# Altium PCB XTIDA-010086.PcbDoc (part 7 of 17)
Units mm, origin at the board's own origin, x right, y up, seen from the top; angles counter-clockwise.
Board outline 375 x 210 mm, 6 copper layers (Top Layer, GND Layer, Signal Layer 1, Signal Layer 2, Power Layer, Bottom Layer), stack 1.575 mm thick; 1884 components, 1036 nets, 4948 pads, 6791 vias.
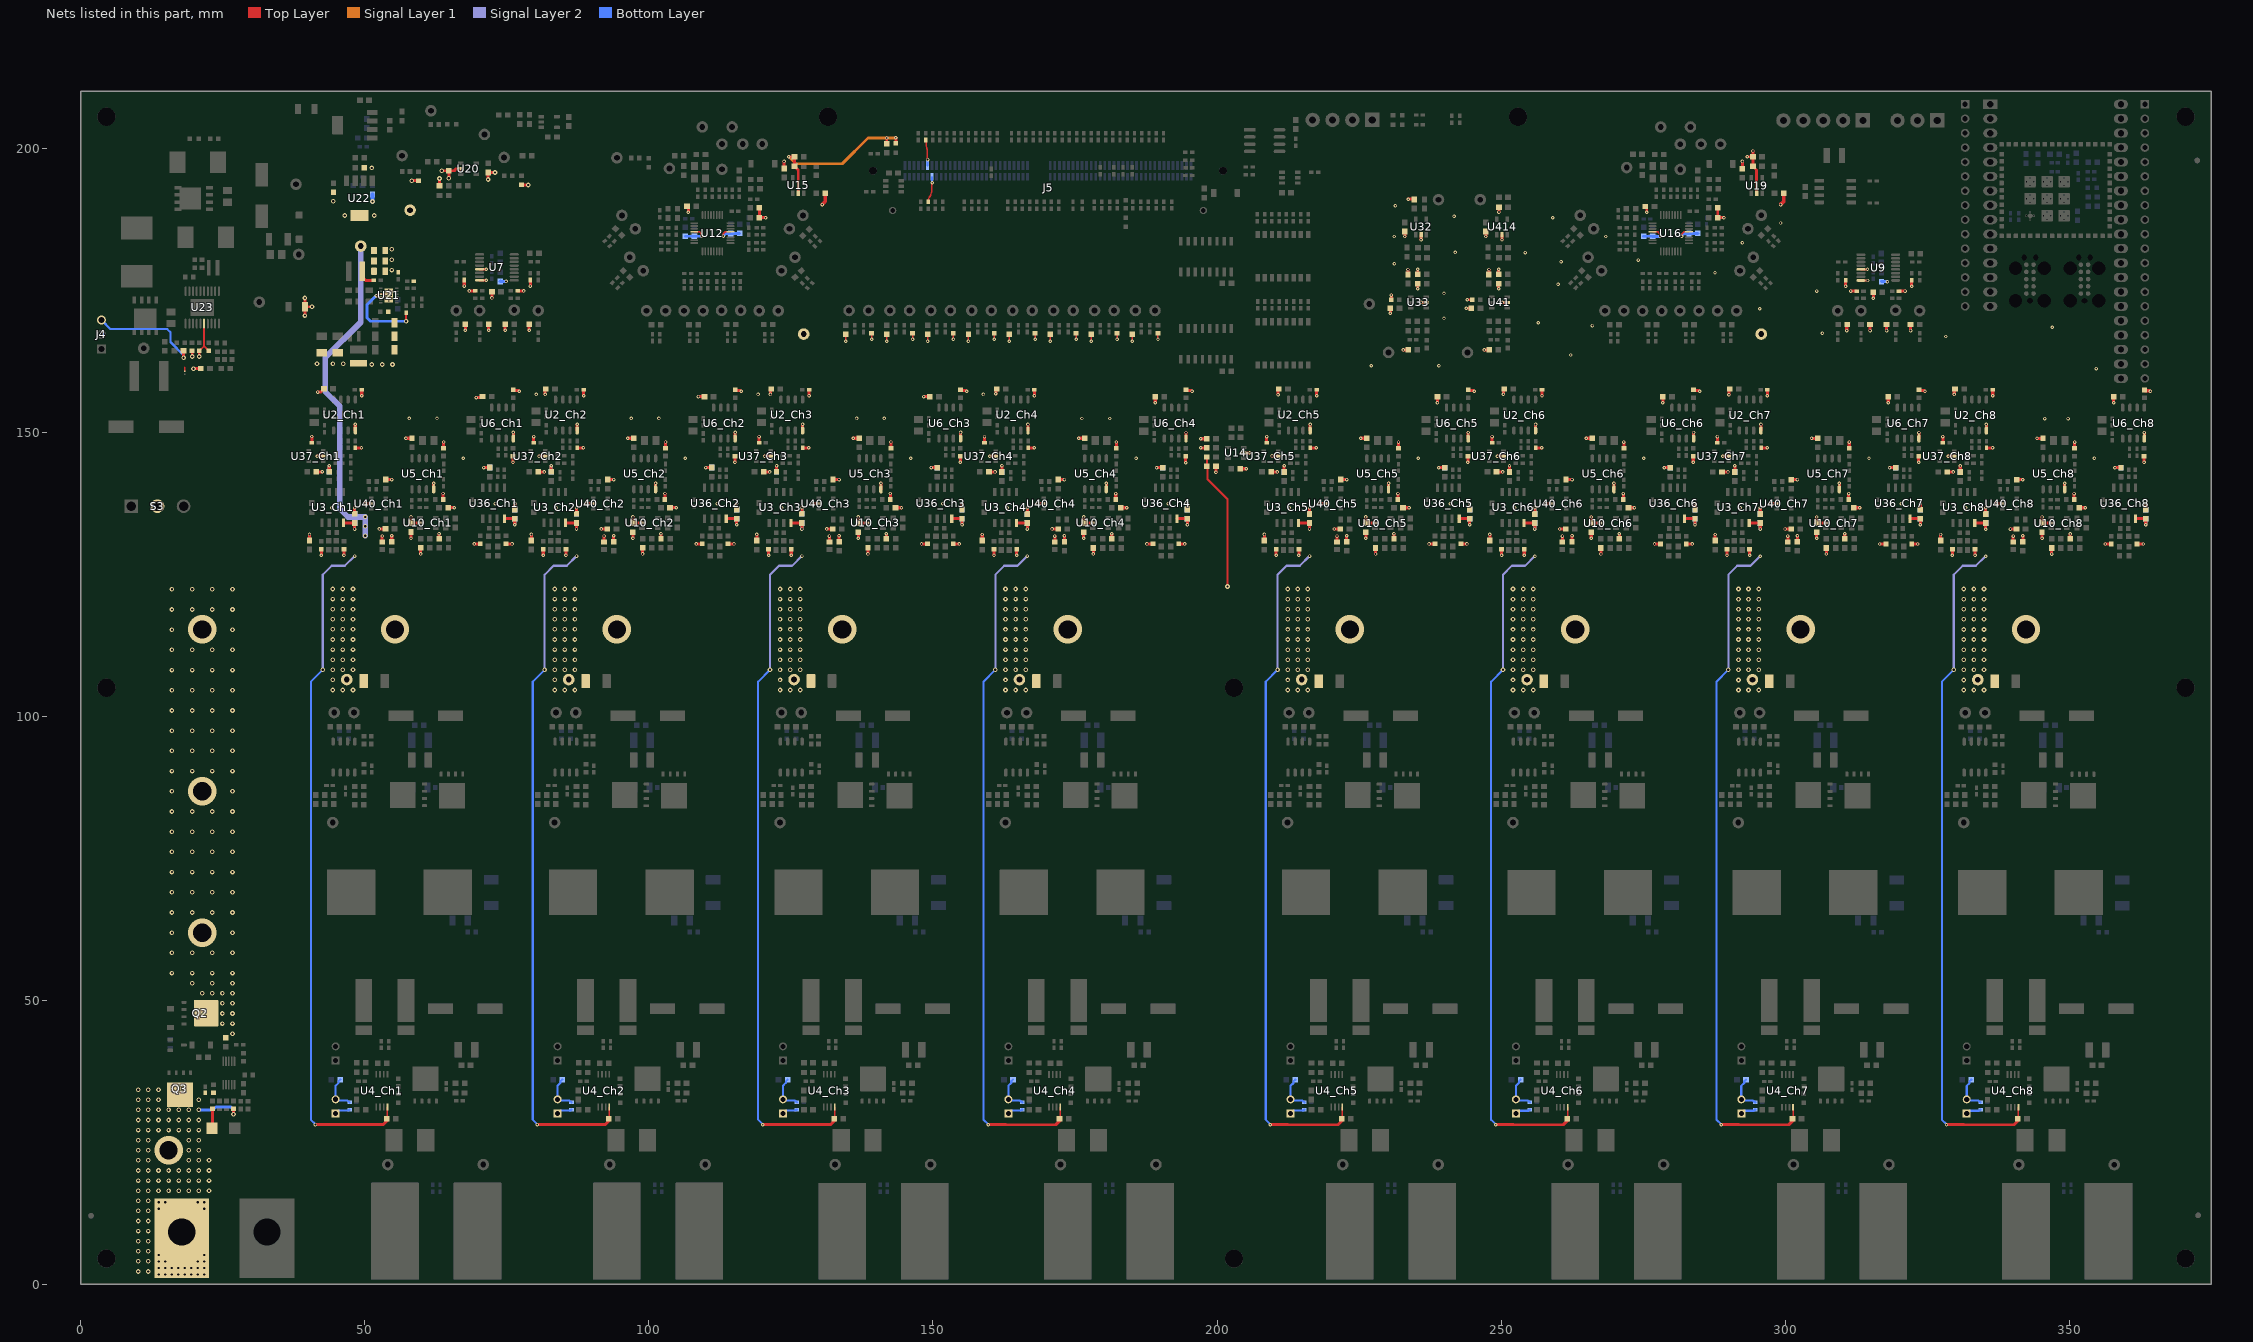
[diagram p11: the nets of this part, all layers, seen from the top]

## Via types
v1: diameter 0.813, hole 0.4, Top Layer to Bottom Layer, tented both sides, 4738 vias
v2: diameter 0.61, hole 0.3, Top Layer to Bottom Layer, tented both sides, 1254 vias
v3: diameter 0.813, hole 0.406, Top Layer to Bottom Layer, 728 vias
v4: diameter 0.5, hole 0.2, Top Layer to Bottom Layer, 40 vias
v5: diameter 5.45, hole 3.556, Top Layer to Bottom Layer, 16 vias
v6: diameter 5/3.65/3.65/3.65/3.65/5 (per signal layer), hole 3.2, Top Layer to Bottom Layer, 12 vias
v7: diameter 0.813, hole 0.4, Top Layer to Bottom Layer, 3 vias

## Nets (pads, with @x,y where several pads share a name; then routed paths per layer and width w, separated by ;. In a path a pad name is that pad's centre, name@x,y a point inside that pad or via, vN(x,y) a via of type N, cw(c..) or ccw(c..) an arc to the next point about the centre after c; other vN are vias at no path point) (continued)
12V_Out: C175.1 L1_Ch1.1 L1_Ch2.1 L1_Ch3.1 L1_Ch4.1 L1_Ch5.1 L1_Ch6.1 L1_Ch7.1 L1_Ch8.1 Q2.5 Q2.6 Q2.7 Q2.8 Q2.9@22.059,47.701 R83.2 R299.1 S3.2 TP4_Ch1.1 TP4_Ch2.1 TP4_Ch3.1 TP4_Ch4.1 TP4_Ch5.1 TP4_Ch6.1 TP4_Ch7.1 TP4_Ch8.1 | length 24.3
  Top Layer w0.381: R299.1@198.217,145.606 C175.1@198.217,143.996 198.242,143.996 198.336,143.902 198.336,141.667 201.854,138.15 v1(201.854,122.809)
  other v1: 26.702,44.094 24.924,45.872 26.702,45.872 24.924,47.65 26.702,47.65 24.924,49.428 26.702,49.428 21.368,51.206 23.146,51.206 24.924,51.206 26.702,51.206 19.59,52.984 23.146,52.984 26.702,52.984 16.034,54.762 19.59,54.762 23.146,54.762 26.702,54.762 16.034,58.318 19.59,58.318 23.146,58.318 26.702,58.318 16.034,61.874 26.702,61.874 16.034,65.43 19.59,65.43 23.146,65.43 26.702,65.43 16.034,68.986 19.59,68.986 23.146,68.986 26.702,68.986 16.034,72.542 19.59,72.542 23.146,72.542 26.702,72.542 16.034,76.098 19.59,76.098 23.146,76.098 26.702,76.098 16.034,79.654 19.59,79.654 23.146,79.654 26.702,79.654 16.034,83.21 19.59,83.21 23.146,83.21 26.702,83.21 16.034,86.766 26.702,86.766 16.034,90.322 19.59,90.322 23.146,90.322 26.702,90.322 16.034,93.878 19.59,93.878 23.146,93.878 26.702,93.878 16.034,97.434 19.59,97.434 23.146,97.434 26.702,97.434 16.034,100.99 19.59,100.99 23.146,100.99 26.702,100.99 16.034,104.546 19.59,104.546 23.146,104.546 26.702,104.546 252.113,104.587 253.891,104.587 255.669,104.587 291.788,104.585 293.566,104.585 295.344,104.585 331.462,104.583 333.24,104.583 335.018,104.583 44.348,104.597 46.126,104.597 47.904,104.597 83.414,104.595 85.192,104.595 86.97,104.595 123.088,104.593 124.866,104.593 126.644,104.593 162.763,104.591 164.541,104.591 166.319,104.591 212.438,104.589 214.216,104.589 215.994,104.589 252.113,106.365 291.788,106.363 331.462,106.361 44.348,106.375 83.414,106.373 123.088,106.371 162.763,106.369 212.438,106.367 16.034,108.102 19.59,108.102 23.146,108.102 26.702,108.102 252.113,108.143 253.891,108.143 255.669,108.143 291.788,108.141 293.566,108.141 295.344,108.141 331.462,108.139 333.24,108.139 335.018,108.139 44.348,108.153 46.126,108.153 47.904,108.153 83.414,108.151 85.192,108.151 86.97,108.151 123.088,108.149 124.866,108.149 126.644,108.149 162.763,108.147 164.541,108.147 166.319,108.147 212.438,108.145 214.216,108.145 215.994,108.145 252.113,109.921 253.891,109.921 255.669,109.921 291.788,109.919 293.566,109.919 295.344,109.919 331.462,109.917 333.24,109.917 335.018,109.917 44.348,109.931 46.126,109.931 47.904,109.931 83.414,109.929 85.192,109.929 86.97,109.929 123.088,109.927 124.866,109.927 126.644,109.927 162.763,109.925 164.541,109.925 166.319,109.925 212.438,109.923 214.216,109.923 215.994,109.923 16.034,111.658 19.59,111.658 23.146,111.658 26.702,111.658 252.113,111.699 253.891,111.699 255.669,111.699 291.788,111.697 293.566,111.697 295.344,111.697 331.462,111.695 333.24,111.695 335.018,111.695 44.348,111.709 46.126,111.709 47.904,111.709 83.414,111.707 85.192,111.707 86.97,111.707 123.088,111.705 124.866,111.705 126.644,111.705 162.763,111.703 164.541,111.703 166.319,111.703 212.438,111.701 214.216,111.701 215.994,111.701 252.113,113.477 253.891,113.477 255.669,113.477 291.788,113.475 293.566,113.475 295.344,113.475 331.462,113.473 333.24,113.473 335.018,113.473 44.348,113.487 46.126,113.487 47.904,113.487 83.414,113.485 85.192,113.485 86.97,113.485 123.088,113.483 124.866,113.483 126.644,113.483 162.763,113.481 164.541,113.481 166.319,113.481 212.438,113.479 214.216,113.479 215.994,113.479 16.034,115.214 26.702,115.214 252.113,115.255 253.891,115.255 255.669,115.255 291.788,115.253 293.566,115.253 295.344,115.253 331.462,115.251 333.24,115.251 335.018,115.251 44.348,115.265 46.126,115.265 47.904,115.265 83.414,115.263 85.192,115.263 86.97,115.263 123.088,115.261 124.866,115.261 126.644,115.261 162.763,115.259 164.541,115.259 166.319,115.259 212.438,115.257 214.216,115.257 215.994,115.257 252.113,117.033 253.891,117.033 255.669,117.033 291.788,117.031 293.566,117.031 295.344,117.031 331.462,117.029 333.24,117.029 335.018,117.029 44.348,117.043 46.126,117.043 47.904,117.043 83.414,117.041 85.192,117.041 86.97,117.041 123.088,117.039 124.866,117.039 126.644,117.039 162.763,117.037 164.541,117.037 166.319,117.037 212.438,117.035 214.216,117.035 215.994,117.035 16.034,118.77 19.59,118.77 23.146,118.77 26.702,118.77 252.113,118.811 253.891,118.811 255.669,118.811 291.788,118.809 293.566,118.809 295.344,118.809 331.462,118.807 333.24,118.807 335.018,118.807 44.348,118.821 46.126,118.821 47.904,118.821 83.414,118.819 85.192,118.819 86.97,118.819 123.088,118.817 124.866,118.817 126.644,118.817 162.763,118.815 164.541,118.815 166.319,118.815 212.438,118.813 214.216,118.813 215.994,118.813 252.113,120.589 253.891,120.589 255.669,120.589 291.788,120.587 293.566,120.587 295.344,120.587 331.462,120.585 333.24,120.585 335.018,120.585 44.348,120.599 46.126,120.599 47.904,120.599 83.414,120.597 85.192,120.597 86.97,120.597 123.088,120.595 124.866,120.595 126.644,120.595 162.763,120.593 164.541,120.593 166.319,120.593 212.438,120.591 214.216,120.591 215.994,120.591 16.034,122.326 19.59,122.326 23.146,122.326 26.702,122.326 252.113,122.367 253.891,122.367 255.669,122.367 291.788,122.365 293.566,122.365 295.344,122.365 331.462,122.363 333.24,122.363 335.018,122.363 44.348,122.377 46.126,122.377 47.904,122.377 83.414,122.375 85.192,122.375 86.97,122.375 123.088,122.373 124.866,122.373 126.644,122.373 162.763,122.371 164.541,122.371 166.319,122.371 212.438,122.369 214.216,122.369 215.994,122.369
  other v6: 21.368,61.874 21.368,86.766 21.368,115.265 55.296,115.265 94.361,115.265 134.036,115.265 173.711,115.265 223.385,115.265 263.06,115.265 302.735,115.265 342.41,115.265
12VP: D7.2 D8.1 Q3.5 Q3.6 Q3.7 Q3.8 Q3.9@17.433,33.325 R82.1 R84.2 R85.2 T1.1 | length 11.6
  Top Layer w0.508: D8.1@23.082,27.478 23.166,27.562 R85.2@23.166,30.841 ; v1(26.882,29.921) R84.2@26.882,30.841
  Bottom Layer w0.508: v1(20.777,30.683) 23.257,30.683 23.765,31.191 26.391,31.191 26.882,30.7 v1(26.882,29.921)
  other v1: 10.109,2.235 11.887,2.235 10.109,4.013 11.887,4.013 10.109,5.791 11.887,5.791 10.109,7.569 11.887,7.569 10.109,9.347 11.887,9.347 10.109,11.125 11.887,11.125 10.109,12.903 11.887,12.903 10.109,14.681 11.887,14.681 10.109,16.459 11.887,16.459 13.665,16.459 15.443,16.459 17.221,16.459 18.999,16.459 20.777,16.459 22.555,16.459 10.109,18.237 11.887,18.237 13.665,18.237 15.443,18.237 17.221,18.237 18.999,18.237 20.777,18.237 22.555,18.237 10.109,20.015 11.887,20.015 13.665,20.015 15.443,20.015 17.221,20.015 18.999,20.015 20.777,20.015 22.555,20.015 10.109,21.793 11.887,21.793 18.999,21.793 20.777,21.793 22.555,21.793 10.109,23.571 11.887,23.571 18.999,23.571 20.777,23.571 10.109,25.349 11.887,25.349 18.999,25.349 20.777,25.349 10.109,27.127 11.887,27.127 13.665,27.127 15.443,27.127 17.221,27.127 18.999,27.127 20.777,27.127 10.109,28.905 11.887,28.905 13.665,28.905 15.443,28.905 17.221,28.905 18.999,28.905 20.777,28.905 10.109,30.683 11.887,30.683 13.665,30.683 15.443,30.683 17.221,30.683 18.999,30.683 10.109,32.461 11.887,32.461 13.665,32.461 20.777,32.461 10.109,34.239 11.887,34.239 13.665,34.239
  other v3: 13.699,1.716 14.842,1.716 15.985,1.716 17.128,1.716 18.271,1.716 19.414,1.716 20.557,1.716 21.7,1.716 13.699,2.859 14.842,2.859 15.985,2.859 17.128,2.859 18.271,2.859 19.414,2.859 20.557,2.859 21.7,2.859 13.699,4.002 14.842,4.002 20.557,4.002 21.7,4.002 13.699,5.145 21.7,5.145 13.699,13.273 21.7,13.273 13.699,14.416 14.842,14.416 20.557,14.416 21.7,14.416
  other v6: 15.443,23.571
+VSense_Ch1: J2_Ch1.1 R14_Ch1.2 | length 2.7
  Bottom Layer w0.381: J2_Ch1.1@44.856,30.043 45.366,30.552 47.048,30.552 47.204,30.709 R14_Ch1.2@47.304,30.709
+VSense_Ch2: J2_Ch2.1 R14_Ch2.2 | length 2.7
  Bottom Layer w0.381: J2_Ch2.1@83.922,30.041 84.431,30.55 86.113,30.55 86.27,30.707 R14_Ch2.2@86.37,30.707
+VSense_Ch3: J2_Ch3.1 R14_Ch3.2 | length 2.7
  Bottom Layer w0.381: J2_Ch3.1@123.596,30.039 124.106,30.548 125.788,30.548 125.944,30.705 R14_Ch3.2@126.044,30.705
+VSense_Ch4: J2_Ch4.1 R14_Ch4.2 | length 2.7
  Bottom Layer w0.381: J2_Ch4.1@163.271,30.037 163.781,30.546 165.463,30.546 165.619,30.703 R14_Ch4.2@165.719,30.703
+VSense_Ch5: J2_Ch5.1 R14_Ch5.2 | length 2.7
  Bottom Layer w0.381: J2_Ch5.1@212.946,30.035 213.456,30.544 215.138,30.544 215.294,30.701 R14_Ch5.2@215.394,30.701
+VSense_Ch6: J2_Ch6.1 R14_Ch6.2 | length 2.7
  Bottom Layer w0.381: J2_Ch6.1@252.621,30.033 253.13,30.542 254.812,30.542 254.969,30.699 R14_Ch6.2@255.069,30.699
+VSense_Ch7: J2_Ch7.1 R14_Ch7.2 | length 2.7
  Bottom Layer w0.381: J2_Ch7.1@292.296,30.031 292.805,30.54 294.487,30.54 294.644,30.697 R14_Ch7.2@294.744,30.697
+VSense_Ch8: J2_Ch8.1 R14_Ch8.2 | length 2.7
  Bottom Layer w0.381: J2_Ch8.1@331.97,30.029 332.48,30.538 334.162,30.538 334.318,30.695 R14_Ch8.2@334.418,30.695
-5V: C18_Ch1.1 C18_Ch2.1 C18_Ch3.1 C18_Ch4.1 C18_Ch5.1 C18_Ch6.1 C18_Ch7.1 C18_Ch8.1 C20_Ch1.1 C20_Ch2.1 C20_Ch3.1 C20_Ch4.1 C20_Ch5.1 C20_Ch6.1 C20_Ch7.1 C20_Ch8.1 C29_Ch1.1 C29_Ch2.1 C29_Ch3.1 C29_Ch4.1 C29_Ch5.1 C29_Ch6.1 C29_Ch7.1 C29_Ch8.1 C45_Ch1.1 C45_Ch2.1 C45_Ch3.1 C45_Ch4.1 C45_Ch5.1 C45_Ch6.1 C45_Ch7.1 C45_Ch8.1 C160.1 C161.1 C162.1 C174_Ch1.1 C174_Ch2.1 C174_Ch3.1 C174_Ch4.1 C174_Ch5.1 C174_Ch6.1 C174_Ch7.1 C174_Ch8.1 C179_Ch1.1 C179_Ch2.1 C179_Ch3.1 C179_Ch4.1 C179_Ch5.1 C179_Ch6.1 C179_Ch7.1 C179_Ch8.1 L6.2 R196.1 TP26.1 U3_Ch1.4 U3_Ch2.4 U3_Ch3.4 U3_Ch4.4 U3_Ch5.4 U3_Ch6.4 U3_Ch7.4 U3_Ch8.4 U4_Ch1.4 U4_Ch2.4 U4_Ch3.4 U4_Ch4.4 U4_Ch5.4 U4_Ch6.4 U4_Ch7.4 U4_Ch8.4 U10_Ch1.2 U10_Ch2.2 U10_Ch3.2 U10_Ch4.2 U10_Ch5.2 U10_Ch6.2 U10_Ch7.2 U10_Ch8.2 U36_Ch1.4 U36_Ch2.4 U36_Ch3.4 U36_Ch4.4 U36_Ch5.4 U36_Ch6.4 U36_Ch7.4 U36_Ch8.4 | length 1109.7
  Top Layer w0.254: U4_Ch1.4@53.968,31.186 53.968,29.133 C29_Ch1.1@53.982,29.118 ; U4_Ch2.4@93.033,31.184 93.033,29.131 C29_Ch2.1@93.047,29.116 ; U4_Ch3.4@132.708,31.182 132.708,29.129 C29_Ch3.1@132.722,29.114 ; U4_Ch4.4@172.383,31.18 172.383,29.127 C29_Ch4.1@172.397,29.112 ; U4_Ch5.4@222.057,31.178 222.057,29.125 C29_Ch5.1@222.072,29.11 ; U4_Ch6.4@261.732,31.176 261.732,29.123 C29_Ch6.1@261.747,29.108 ; U4_Ch7.4@301.407,31.174 301.407,29.121 C29_Ch7.1@301.421,29.106 ; U4_Ch8.4@341.082,31.172 341.082,29.119 C29_Ch8.1@341.096,29.104
  Top Layer w0.508: v2(41.3,28.092) 44.399,28.092 44.412,28.08 53.2,28.08 53.982,28.862 C29_Ch1.1@53.982,29.118 ; L6.2@49.517,178.308 49.517,177.279 50.14,176.657 51.546,176.657 R196.1@51.597,176.708 ; v2(80.366,28.09) 83.464,28.09 83.477,28.078 92.266,28.078 93.047,28.86 C29_Ch2.1@93.047,29.116 ; v2(120.04,28.088) 123.139,28.088 123.152,28.076 131.94,28.076 132.722,28.858 C29_Ch3.1@132.722,29.114 ; v2(159.715,28.086) 162.814,28.086 162.827,28.074 171.615,28.074 172.397,28.856 C29_Ch4.1@172.397,29.112 ; v2(209.39,28.084) 212.489,28.084 212.502,28.072 221.29,28.072 222.072,28.854 C29_Ch5.1@222.072,29.11 ; v2(249.065,28.082) 252.164,28.082 252.176,28.07 260.965,28.07 261.747,28.852 C29_Ch6.1@261.747,29.108 ; v2(288.74,28.08) 291.838,28.08 291.851,28.068 300.64,28.068 301.421,28.85 C29_Ch7.1@301.421,29.106 ; v2(328.414,28.078) 331.513,28.078 331.526,28.066 340.314,28.066 341.096,28.848 C29_Ch8.1@341.096,29.104
  Top Layer w0.541: U3_Ch1.4@46.264,134.011 46.271,134.003 48.181,134.003 C20_Ch1.1@48.189,133.996 v2(48.189,132.929) ; v2(58.115,135.057) C45_Ch1.1@58.115,133.991 58.118,133.993 59.709,133.993 U10_Ch1.2@59.712,133.996 ; U36_Ch1.4@74.555,134.76 C174_Ch1.1@76.378,134.76 v2(76.378,133.693) ; U3_Ch2.4@85.329,134.009 85.336,134.001 87.246,134.001 C20_Ch2.1@87.254,133.994 v2(87.254,132.927) ; v2(97.18,135.055) C45_Ch2.1@97.18,133.989 97.183,133.991 98.774,133.991 U10_Ch2.2@98.777,133.994 ; U36_Ch2.4@113.62,134.758 C174_Ch2.1@115.443,134.758 v2(115.443,133.691) ; U3_Ch3.4@125.004,134.007 125.011,133.999 126.921,133.999 C20_Ch3.1@126.929,133.992 v2(126.929,132.925) ; v2(136.855,135.053) C45_Ch3.1@136.855,133.987 136.858,133.989 138.449,133.989 U10_Ch3.2@138.452,133.992 ; U36_Ch3.4@153.295,134.756 C174_Ch3.1@155.118,134.756 v2(155.118,133.689) ; U3_Ch4.4@164.678,134.005 164.686,133.997 166.596,133.997 C20_Ch4.1@166.603,133.99 v2(166.603,132.923) ; v2(176.53,135.051) C45_Ch4.1@176.53,133.985 176.533,133.987 178.124,133.987 U10_Ch4.2@178.127,133.99 ; U36_Ch4.4@192.97,134.754 C174_Ch4.1@194.793,134.754 v2(194.793,133.687) ; U3_Ch5.4@214.353,134.003 214.361,133.995 216.271,133.995 C20_Ch5.1@216.278,133.988 v2(216.278,132.921) ; v2(226.205,135.049) C45_Ch5.1@226.205,133.983 226.208,133.985 227.799,133.985 U10_Ch5.2@227.802,133.988 ; U36_Ch5.4@242.644,134.752 C174_Ch5.1@244.467,134.752 v2(244.467,133.685) ; U3_Ch6.4@254.028,134.001 254.035,133.993 255.945,133.993 C20_Ch6.1@255.953,133.986 v2(255.953,132.919) ; v2(265.88,135.047) C45_Ch6.1@265.88,133.981 265.882,133.983 267.474,133.983 U10_Ch6.2@267.476,133.986 ; U36_Ch6.4@282.319,134.75 C174_Ch6.1@284.142,134.75 v2(284.142,133.683) ; U3_Ch7.4@293.703,133.999 293.71,133.991 295.62,133.991 C20_Ch7.1@295.628,133.984 v2(295.628,132.917) ; v2(305.554,135.045) C45_Ch7.1@305.554,133.979 305.557,133.981 307.148,133.981 U10_Ch7.2@307.151,133.984 ; U36_Ch7.4@321.994,134.748 C174_Ch7.1@323.817,134.748 v2(323.817,133.681) ; U3_Ch8.4@333.378,133.997 333.385,133.989 335.295,133.989 C20_Ch8.1@335.303,133.982 v2(335.303,132.915) ; v2(345.229,135.043) C45_Ch8.1@345.229,133.977 345.232,133.979 346.823,133.979 U10_Ch8.2@346.826,133.982 ; U36_Ch8.4@361.669,134.746 C174_Ch8.1@363.492,134.746 v2(363.492,133.679)
  Signal Layer 2 w0.381: v1(42.57,108.153) 42.57,124.892 44.145,126.467 46.467,126.467 v2@48.189,128.188 ; v1(81.636,108.151) 81.636,124.89 83.21,126.465 85.532,126.465 v2@87.254,128.186 ; v1(121.31,108.149) 121.31,124.888 122.885,126.463 125.207,126.463 v2@126.929,128.184 ; v1(160.985,108.147) 160.985,124.886 162.56,126.461 164.882,126.461 v2@166.603,128.182 ; v1(210.66,108.145) 210.66,124.884 212.235,126.459 214.557,126.459 v2@216.278,128.18 ; v1(250.335,108.143) 250.335,124.882 251.91,126.457 254.231,126.457 v2@255.953,128.178 ; v1(290.01,108.141) 290.01,124.88 291.584,126.455 293.906,126.455 v2@295.628,128.176 ; v1(329.684,108.139) 329.684,124.878 331.259,126.453 333.581,126.453 v2@335.303,128.174
  Signal Layer 2 w1: TP26.1@49.276,182.728 49.276,169.342 43.002,163.068 43.002,157.15 45.568,154.584 45.568,136.522 47.032,135.057 v7(50.058,135.057) v7(50.058,131.763)
  Bottom Layer w0.381: v2(41.3,28.092) 41.3,28.154 40.488,28.967 40.488,106.07 v1(42.57,108.153) ; v2(80.366,28.09) 80.366,28.152 79.553,28.965 79.553,106.068 v1(81.636,108.151) ; v2(120.04,28.088) 120.04,28.15 119.228,28.963 119.228,106.066 v1(121.31,108.149) ; v2(159.715,28.086) 159.715,28.148 158.902,28.961 158.902,106.064 v1(160.985,108.147) ; v2(209.39,28.084) 209.39,28.146 208.577,28.959 208.577,106.062 v1(210.66,108.145) ; v2(249.065,28.082) 249.065,28.144 248.252,28.957 248.252,106.06 v1(250.335,108.143) ; v2(288.74,28.08) 288.74,28.142 287.927,28.955 287.927,106.058 v1(290.01,108.141) ; v2(328.414,28.078) 328.414,28.14 327.602,28.953 327.602,106.056 v1(329.684,108.139)
  Bottom Layer w0.541: v2(48.189,132.929) C18_Ch1.1@48.189,133.996 ; v2(76.378,133.693) C179_Ch1.1@76.378,134.76 ; v2(87.254,132.927) C18_Ch2.1@87.254,133.994 ; v2(115.443,133.691) C179_Ch2.1@115.443,134.758 ; v2(126.929,132.925) C18_Ch3.1@126.929,133.992 ; v2(155.118,133.689) C179_Ch3.1@155.118,134.756 ; v2(166.603,132.923) C18_Ch4.1@166.603,133.99 ; v2(194.793,133.687) C179_Ch4.1@194.793,134.754 ; v2(216.278,132.921) C18_Ch5.1@216.278,133.988 ; v2(244.467,133.685) C179_Ch5.1@244.467,134.752 ; v2(255.953,132.919) C18_Ch6.1@255.953,133.986 ; v2(284.142,133.683) C179_Ch6.1@284.142,134.75 ; v2(295.628,132.917) C18_Ch7.1@295.628,133.984 ; v2(323.817,133.681) C179_Ch7.1@323.817,134.748 ; v2(335.303,132.915) C18_Ch8.1@335.303,133.982 ; v2(363.492,133.679) C179_Ch8.1@363.492,134.746
  other v2: 335.313,128.158 48.199,128.172 87.264,128.17 126.939,128.168 166.614,128.166 216.289,128.164 255.964,128.162 295.638,128.16
  other v7: 50.058,133.41
-VSense_Ch1: J2_Ch1.2 R15_Ch1.1 R17_Ch1.2 | length 6.5
  Bottom Layer w0.381: R15_Ch1.1@45.682,36.006 45.657,36.006 45.372,35.722 45.372,35.434 44.856,34.919 J2_Ch1.2@44.856,32.543 45.051,32.348 46.886,32.348 47.095,32.139 47.195,32.139 R17_Ch1.2@47.304,32.029
-VSense_Ch2: J2_Ch2.2 R15_Ch2.1 R17_Ch2.2 | length 6.5
  Bottom Layer w0.381: R15_Ch2.1@84.747,36.004 84.722,36.004 84.437,35.72 84.437,35.432 83.922,34.917 J2_Ch2.2@83.922,32.541 84.117,32.346 85.951,32.346 86.16,32.137 86.26,32.137 R17_Ch2.2@86.37,32.027
-VSense_Ch3: J2_Ch3.2 R15_Ch3.1 R17_Ch3.2 | length 6.5
  Bottom Layer w0.381: R15_Ch3.1@124.422,36.002 124.397,36.002 124.112,35.718 124.112,35.43 123.596,34.915 J2_Ch3.2@123.596,32.539 123.791,32.344 125.626,32.344 125.835,32.135 125.935,32.135 R17_Ch3.2@126.044,32.025
-VSense_Ch4: J2_Ch4.2 R15_Ch4.1 R17_Ch4.2 | length 6.5
  Bottom Layer w0.381: R15_Ch4.1@164.097,36 164.072,36 163.787,35.716 163.787,35.428 163.271,34.913 J2_Ch4.2@163.271,32.537 163.466,32.342 165.301,32.342 165.51,32.133 165.61,32.133 R17_Ch4.2@165.719,32.023
-VSense_Ch5: J2_Ch5.2 R15_Ch5.1 R17_Ch5.2 | length 6.5
  Bottom Layer w0.381: R15_Ch5.1@213.771,35.998 213.746,35.998 213.462,35.714 213.462,35.426 212.946,34.911 J2_Ch5.2@212.946,32.535 213.141,32.34 214.976,32.34 215.184,32.131 215.284,32.131 R17_Ch5.2@215.394,32.021
-VSense_Ch6: J2_Ch6.2 R15_Ch6.1 R17_Ch6.2 | length 6.5
  Bottom Layer w0.381: R15_Ch6.1@253.446,35.996 253.421,35.996 253.137,35.712 253.137,35.424 252.621,34.909 J2_Ch6.2@252.621,32.533 252.816,32.338 254.65,32.338 254.859,32.129 254.959,32.129 R17_Ch6.2@255.069,32.019
-VSense_Ch7: J2_Ch7.2 R15_Ch7.1 R17_Ch7.2 | length 6.5
  Bottom Layer w0.381: R15_Ch7.1@293.121,35.994 293.096,35.994 292.811,35.71 292.811,35.422 292.296,34.907 J2_Ch7.2@292.296,32.531 292.491,32.336 294.325,32.336 294.534,32.127 294.634,32.127 R17_Ch7.2@294.744,32.017
-VSense_Ch8: J2_Ch8.2 R15_Ch8.1 R17_Ch8.2 | length 6.5
  Bottom Layer w0.381: R15_Ch8.1@332.796,35.992 332.771,35.992 332.486,35.708 332.486,35.42 331.97,34.905 J2_Ch8.2@331.97,32.529 332.165,32.334 334,32.334 334.209,32.125 334.309,32.125 R17_Ch8.2@334.418,32.015
ADC.A1: J5.110 R246.2 | length 4.5
  Top Layer w0.254: R246.2@148.697,201.381 148.807,201.271 148.807,200.467 ccw(c149.759,200.47) 148.864,200.144 148.948,199.913 cw(c148.054,199.586) 149.006,199.584 149.006,198.244 ccw(c149.959,198.244) v2(149.05,197.959)
  Bottom Layer w0.381: J5.110@149.05,196.925 v2(149.05,197.959)
ADC.B1: J5.107 R248.2 | length 4.6
  Top Layer w0.254: R248.2@149.14,190.522 149.14,190.577 149.14,190.58 cw(c150.624,190.58) 149.48,191.524 ccw(c148.746,192.131) 149.648,191.826 ccw(c146.764,192.794) 149.806,192.794 149.806,193.606 cw(c150.759,193.606) 149.839,193.852 149.849,193.89 v2(149.85,193.891)
  Bottom Layer w0.381: v2(149.85,193.891) J5.107@149.85,194.925
AGND: C14_Ch1.2 C14_Ch2.2 C14_Ch3.2 C14_Ch4.2 C14_Ch5.2 C14_Ch6.2 C14_Ch7.2 C14_Ch8.2 C17_Ch1.2 C17_Ch2.2 C17_Ch3.2 C17_Ch4.2 C17_Ch5.2 C17_Ch6.2 C17_Ch7.2 C17_Ch8.2 C18_Ch1.2 C18_Ch2.2 C18_Ch3.2 C18_Ch4.2 C18_Ch5.2 C18_Ch6.2 C18_Ch7.2 C18_Ch8.2 C20_Ch1.2 C20_Ch2.2 C20_Ch3.2 C20_Ch4.2 C20_Ch5.2 C20_Ch6.2 C20_Ch7.2 C20_Ch8.2 C21_Ch1.1 C21_Ch2.1 C21_Ch3.1 C21_Ch4.1 C21_Ch5.1 C21_Ch6.1 C21_Ch7.1 C21_Ch8.1 C22_Ch1.2 C22_Ch2.2 C22_Ch3.2 C22_Ch4.2 C22_Ch5.2 C22_Ch6.2 C22_Ch7.2 C22_Ch8.2 C23_Ch1.2 C23_Ch2.2 C23_Ch3.2 C23_Ch4.2 C23_Ch5.2 C23_Ch6.2 C23_Ch7.2 C23_Ch8.2 C24_Ch1.2 C24_Ch2.2 C24_Ch3.2 C24_Ch4.2 C24_Ch5.2 C24_Ch6.2 C24_Ch7.2 C24_Ch8.2 C25_Ch1.2 C25_Ch2.2 C25_Ch3.2 C25_Ch4.2 C25_Ch5.2 C25_Ch6.2 C25_Ch7.2 C25_Ch8.2 C26_Ch1.2 C26_Ch2.2 C26_Ch3.2 C26_Ch4.2 C26_Ch5.2 C26_Ch6.2 C26_Ch7.2 C26_Ch8.2 C27_Ch1.2 C27_Ch2.2 C27_Ch3.2 C27_Ch4.2 C27_Ch5.2 C27_Ch6.2 C27_Ch7.2 C27_Ch8.2 C30.1 C36_Ch1.2 C36_Ch2.2 C36_Ch3.2 C36_Ch4.2 C36_Ch5.2 C36_Ch6.2 C36_Ch7.2 C36_Ch8.2 C37_Ch1.1 C37_Ch2.1 C37_Ch3.1 C37_Ch4.1 C37_Ch5.1 C37_Ch6.1 C37_Ch7.1 C37_Ch8.1 C38_Ch1.1 C38_Ch2.1 C38_Ch3.1 C38_Ch4.1 C38_Ch5.1 C38_Ch6.1 C38_Ch7.1 C38_Ch8.1 C39_Ch1.1 C39_Ch2.1 C39_Ch3.1 C39_Ch4.1 C39_Ch5.1 C39_Ch6.1 C39_Ch7.1 C39_Ch8.1 C41.1 C42.2 C43.1 C44.2 C45_Ch1.2 C45_Ch2.2 C45_Ch3.2 C45_Ch4.2 C45_Ch5.2 C45_Ch6.2 C45_Ch7.2 C45_Ch8.2 C49_Ch1.1 C49_Ch2.1 C49_Ch3.1 C49_Ch4.1 C49_Ch5.1 C49_Ch6.1 C49_Ch7.1 C49_Ch8.1 C51.2 C52_Ch1.2 C52_Ch2.2 C52_Ch3.2 C52_Ch4.2 C52_Ch5.2 C52_Ch6.2 C52_Ch7.2 C52_Ch8.2 C53_Ch1.2 C53_Ch2.2 C53_Ch3.2 C53_Ch4.2 C53_Ch5.2 C53_Ch6.2 C53_Ch7.2 C53_Ch8.2 C62.1 C69.2 C70.2 C75.1 C76.1 C77.2 C78.2 C79.2 C80.2 C83.1 C90.2 C91.2 C96.1 C97.1 C98.2 C99.2 C100.2 C101.2 C102.2 C103.2 C105.2 C108.2 C116.2 C117.2 C122.2 C127.1 C128.1 C130.2 C131.2 C132.2 C133.2 C136.1 C142.2 C144.2 C145.2 C146.2 C147_Ch1.2 C147_Ch2.2 C147_Ch3.2 C147_Ch4.2 C147_Ch5.2 C147_Ch6.2 C147_Ch7.2 C147_Ch8.2 C152.2 C153.2 C154.2 C155.2 C156.2 C157.2 C158.2 C159.1 C160.2 C161.2 C162.2 C164.2 C166_Ch1.2 C166_Ch2.2 C166_Ch3.2 C166_Ch4.2 C166_Ch5.2 C166_Ch6.2 C166_Ch7.2 C166_Ch8.2 C167_Ch1.2 C167_Ch2.2 C167_Ch3.2 C167_Ch4.2 C167_Ch5.2 C167_Ch6.2 C167_Ch7.2 C167_Ch8.2 C169.2 C170_Ch1.1 C170_Ch2.1 C170_Ch3.1 C170_Ch4.1 C170_Ch5.1 C170_Ch6.1 C170_Ch7.1 C170_Ch8.1 C171_Ch1.2 C171_Ch2.2 C171_Ch3.2 C171_Ch4.2 C171_Ch5.2 C171_Ch6.2 C171_Ch7.2 C171_Ch8.2 C172_Ch1.2 C172_Ch2.2 C172_Ch3.2 C172_Ch4.2 C172_Ch5.2 C172_Ch6.2 C172_Ch7.2 C172_Ch8.2 C173.1 C174_Ch1.2 C174_Ch2.2 C174_Ch3.2 C174_Ch4.2 C174_Ch5.2 C174_Ch6.2 C174_Ch7.2 C174_Ch8.2 C175.2 C176.2 C177_Ch1.2 C177_Ch2.2 C177_Ch3.2 C177_Ch4.2 C177_Ch5.2 C177_Ch6.2 C177_Ch7.2 C177_Ch8.2 C179_Ch1.2 C179_Ch2.2 C179_Ch3.2 C179_Ch4.2 C179_Ch5.2 C179_Ch6.2 C179_Ch7.2 C179_Ch8.2 C181_Ch1.1 C181_Ch2.1 C181_Ch3.1 C181_Ch4.1 C181_Ch5.1 C181_Ch6.1 C181_Ch7.1 C181_Ch8.1 C182_Ch1.2 C182_Ch2.2 C182_Ch3.2 C182_Ch4.2 C182_Ch5.2 C182_Ch6.2 C182_Ch7.2 C182_Ch8.2 C183_Ch1.1 C183_Ch2.1 C183_Ch3.1 C183_Ch4.1 C183_Ch5.1 C183_Ch6.1 C183_Ch7.1 C183_Ch8.1 C184_Ch1.2 C184_Ch2.2 C184_Ch3.2 C184_Ch4.2 C184_Ch5.2 C184_Ch6.2 C184_Ch7.2 C184_Ch8.2 C185_Ch1.1 C185_Ch2.1 C185_Ch3.1 C185_Ch4.1 C185_Ch5.1 C185_Ch6.1 C185_Ch7.1 C185_Ch8.1 C187.2 C188.2 C190.2 C191.2 C192.2 C193.2 C449.1 C453.2 C454.2 C455.1 D15.1 D17.1 J4.3 NT1.1 R7.1 R63_Ch1.2 R63_Ch2.2 R63_Ch3.2 R63_Ch4.2 R63_Ch5.2 R63_Ch6.2 R63_Ch7.2 R63_Ch8.2 R153.1 R154.1 R155.1 R157.1 R199.1 R208.1 R210.1 R213.1 R221_Ch1.1 R221_Ch2.1 R221_Ch3.1 R221_Ch4.1 R221_Ch5.1 R221_Ch6.1 R221_Ch7.1 R221_Ch8.1 R260.2 R301.1 R488.1 R491.1 TP35.1 TP37.1 TP39.1 U2_Ch1.4 U2_Ch2.4 U2_Ch3.4 U2_Ch4.4 U2_Ch5.4 U2_Ch6.4 U2_Ch7.4 U2_Ch8.4 U5_Ch1.4 U5_Ch2.4 U5_Ch3.4 U5_Ch4.4 U5_Ch5.4 U5_Ch6.4 U5_Ch7.4 U5_Ch8.4 U6_Ch1.4 U6_Ch2.4 U6_Ch3.4 U6_Ch4.4 U6_Ch5.4 U6_Ch6.4 U6_Ch7.4 U6_Ch8.4 U7.5 U7.8 U9.5 U9.8 U12.13 U12.28 U14.2 U15.2 U16.13 U16.28 U19.2 U20.2 U21.9 U21.10 U21.13@54.204,174.04 U22.5 U23.6 U32.2 U33.2 U37_Ch1.2 U37_Ch2.2 U37_Ch3.2 U37_Ch4.2 U37_Ch5.2 U37_Ch6.2 U37_Ch7.2 U37_Ch8.2 U40_Ch1.2 U40_Ch2.2 U40_Ch3.2 U40_Ch4.2 U40_Ch5.2 U40_Ch6.2 U40_Ch7.2 U40_Ch8.2 U41.2 U414.2 | length 513.9